# Altium PCB Spektrop2_Processor_Board_V1.PcbDoc (part 3 of 4)
Units mm, origin at the board's own origin, x right, y up, seen from the top; angles counter-clockwise.
Board outline 42 x 42 mm, 8 copper layers (TOP, L1-GND, L2, L3-1V8, L4-PWR, L5, L6-GND, BTM), stack 1.554 mm thick; 263 components, 222 nets, 1386 pads, 678 vias.
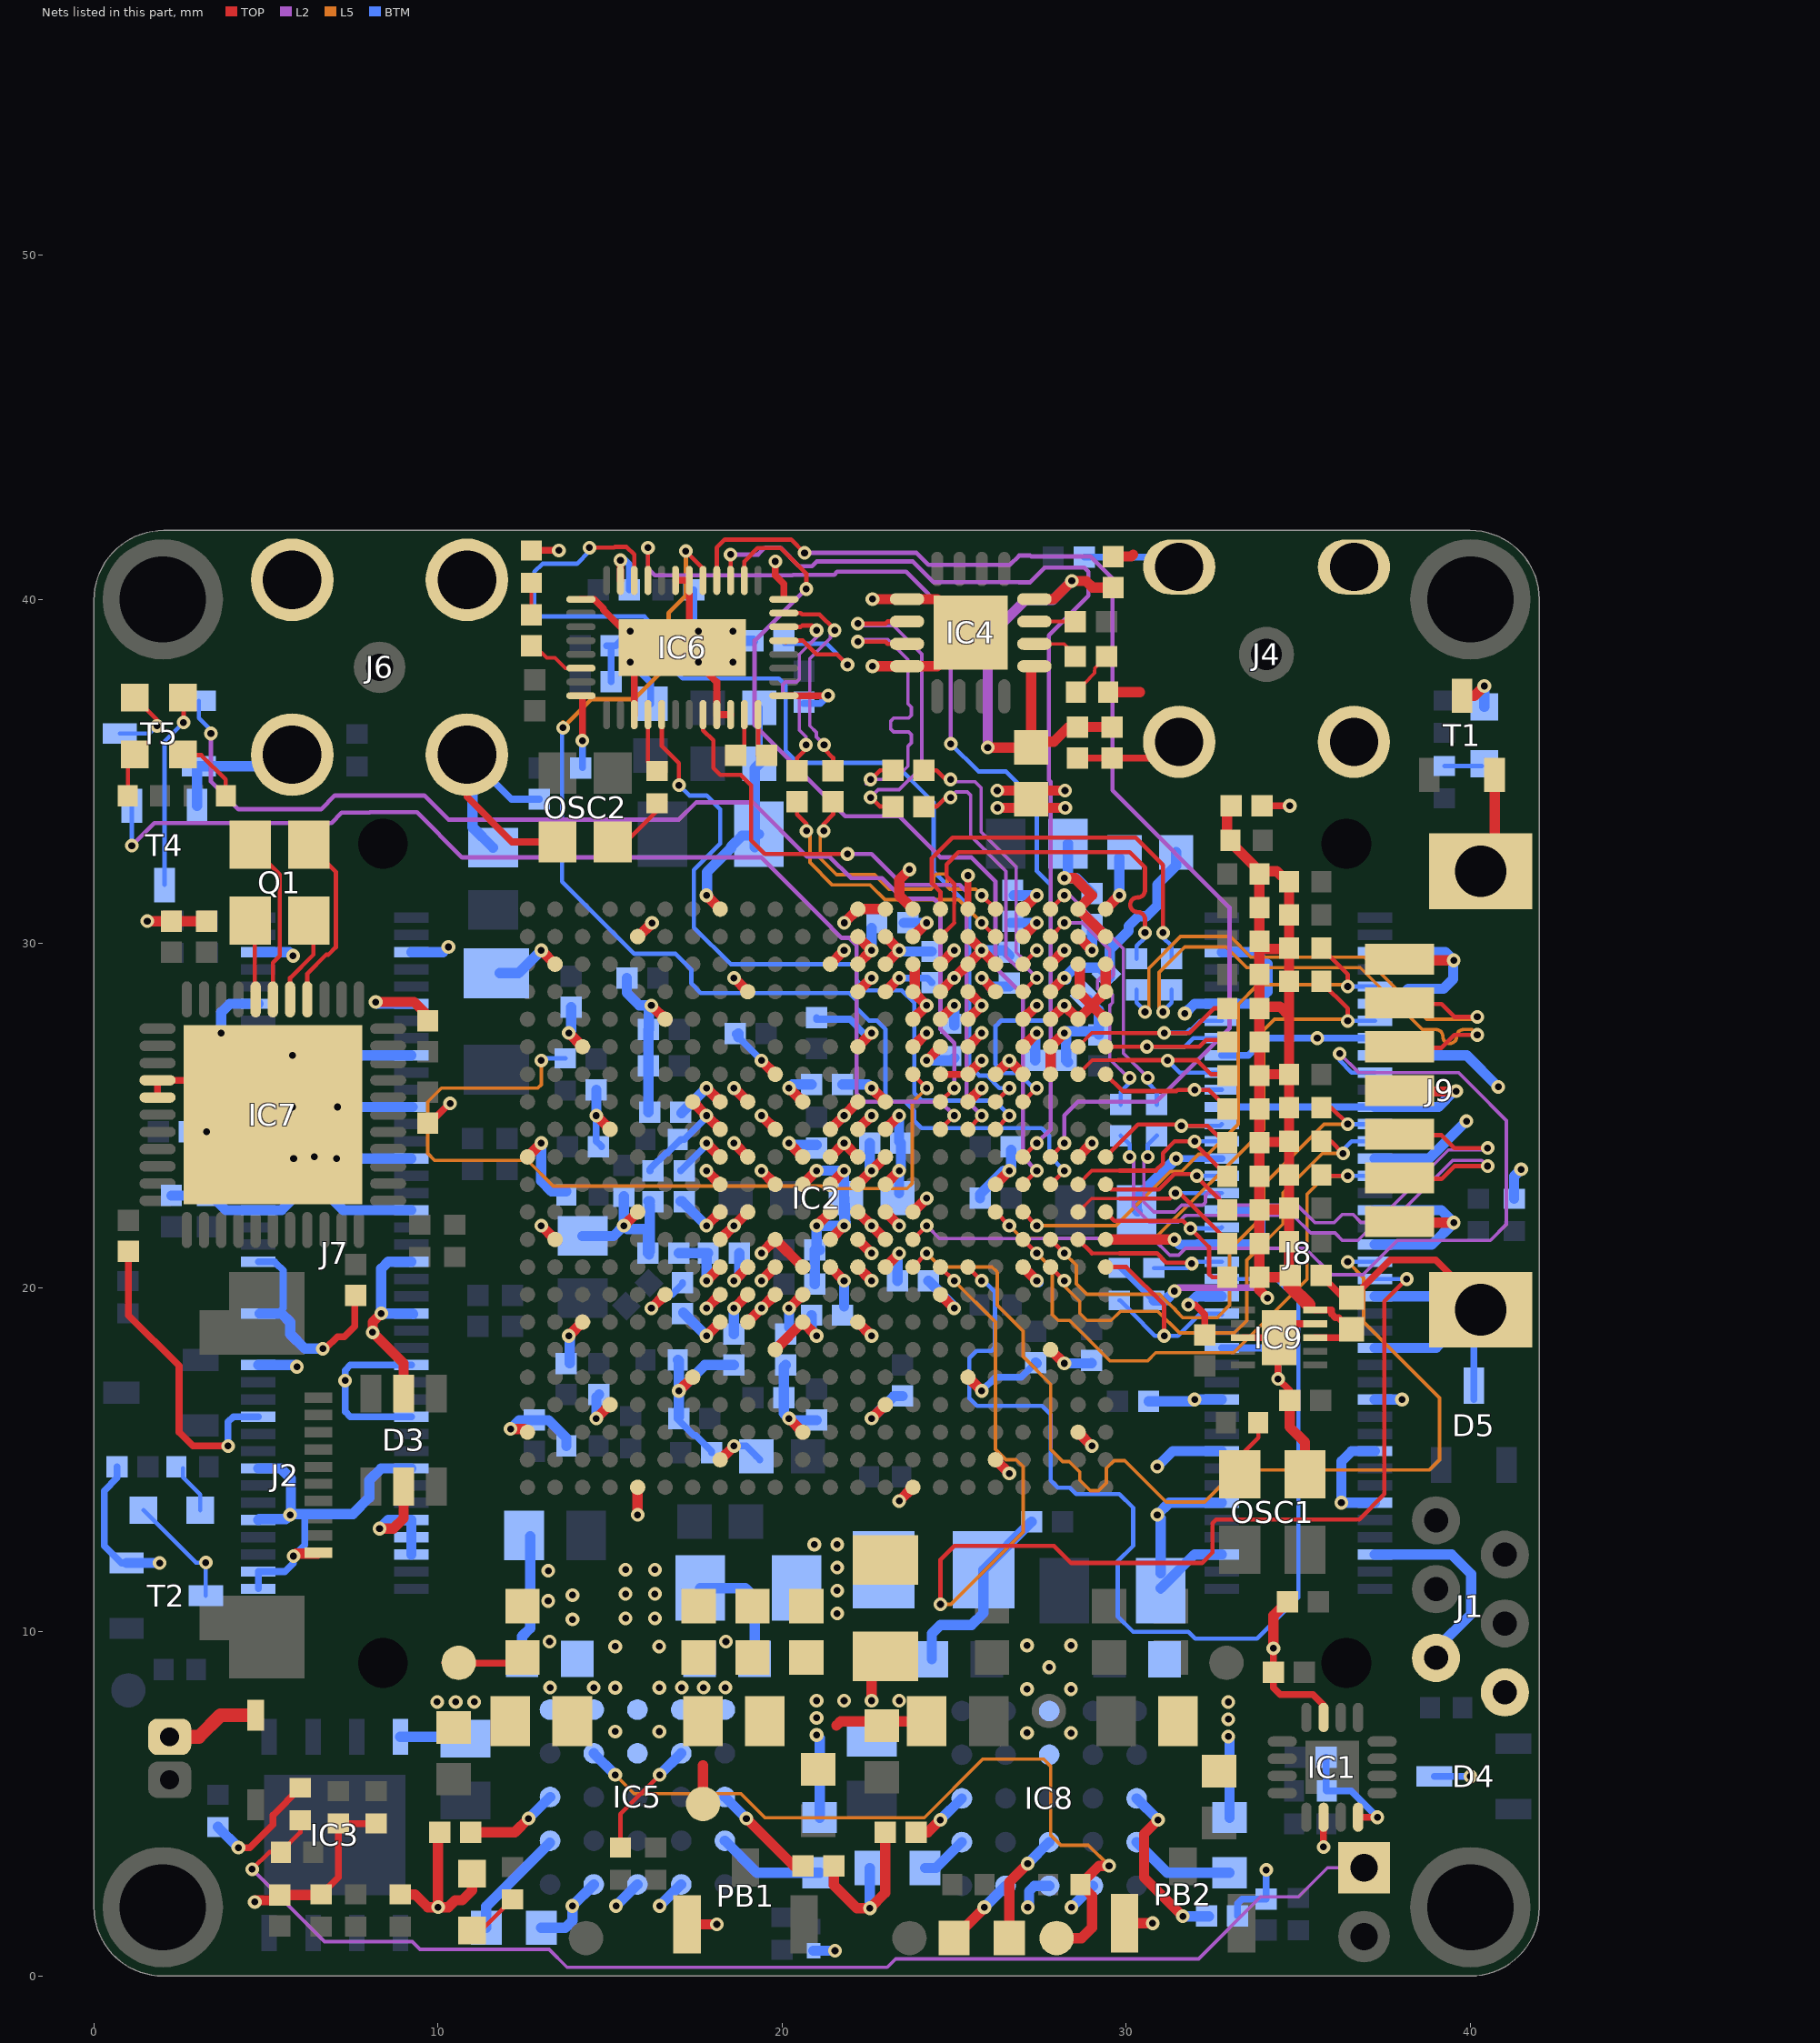
[diagram p9: the nets of this part, all layers, seen from the top]

## Via types
v1: diameter 0.4, hole 0.2, TOP to BTM, tented both sides, 678 vias

## Nets (pads, with @x,y where several pads share a name; then routed paths per layer and width w, separated by ;. In a path a pad name is that pad's centre, name@x,y a point inside that pad or via, vN(x,y) a via of type N, cw(c..) or ccw(c..) an arc to the next point about the centre after c; other vN are vias at no path point) (continued)
FPGA_BANK35_HSTL_IN_IO10: IC2.J1 J8.48 R95.1 | length 6.8
  TOP w0.125: IC2.J1@29.399,20.6 30,20.6 31.1,19.5 v1(31.1,18.6)
  BTM w0.125: R95.1@29.8,19.63 29.818,19.63 30.488,18.961 30.488,18.942 30.83,18.6 v1(31.1,18.6) 31.5,18.6 32.15,19.25 J8.48@32.775,19.25 J8.48@32.775,19.209
FPGA_BANK35_HSTL_IN_IO11: IC2.J3 J8.27 R96.1 | length 15.7
  TOP w0.125: IC2.J3@27.799,20.6 v1(28.199,20.2) ; R96.1@35.67,24.025 35.784,24.139 R96.1@35.895,24.25 ; R96.1@35.67,24.253 35.947,24.253 v1(36.3,23.9)
  L5 w0.1: v1(28.199,20.2) 28.199,20.049 28.649,19.599 28.649,19.255 28.854,19.05 29.561,19.05 29.822,19.31 30.921,19.31 31.545,18.686 33.14,18.686 33.5,19.046 33.5,20.8 34.55,21.85 34.55,22.75 35.7,23.9 v1(36.3,23.9)
  BTM w0.125: v1(36.3,23.9) 36.3,24 36.55,24.25 J8.27@37.225,24.25
FPGA_BANK35_HSTL_IN_IO12: IC2.K2 J8.42 R97.1 | length 5.8
  TOP w0.1: 28.999,21 29.8,21
  TOP w0.125: IC2.K2@28.599,21.4 28.999,21 ; 29.8,21 30.888,21 31.158,20.731 31.158,20.726 31.874,20.726 v1(31.9,20.7)
  BTM w0.125: R97.1@30.8,20.57 31.77,20.57 v1(31.9,20.7) ; v1@31.865,20.695 31.87,20.7 v1(31.9,20.7) ; J8.42@32.775,20.75 31.9,20.75 31.868,20.75 31.9,20.718 v1(31.9,20.7)
FPGA_BANK35_HSTL_IN_IO13: IC2.L2 J8.34 R98.1 | length 6.5
  TOP w0.1: IC2.L2@28.599,22.2 28.99,22.59 29.8,22.59
  TOP w0.125: 29.8,22.59 31.268,22.59 v1(31.428,22.75) 31.55,22.75 R98.1@32.93,21.37
  BTM w0.125: v1(31.428,22.75) J8.34@32.775,22.75
FPGA_BANK35_HSTL_IN_IO14: IC2.L1 J8.38 R99.1 | length 5.7
  TOP w0.125: IC2.L1@29.399,22.2 29.657,21.941 31.645,21.941 v1(31.865,21.722) 32.405,21.182 32.405,20.395 32.5,20.3 R99.1@32.93,20.3
  BTM w0.125: v1(31.865,21.722) v1@31.918,21.722 ; v1@31.947,21.75 v1@31.918,21.722 ; J8.38@32.775,21.75 32.747,21.722 v1@31.918,21.722
FPGA_BANK35_HSTL_IN_IO15: IC2.K4 J8.31 R100.1 | length 17
  TOP w0.125: IC2.K4@26.999,21.4 v1(27.399,21) ; R100.1@35.67,23.1 35.76,23.19 35.82,23.25 v1(36.435,23.25)
  L5 w0.1: v1(27.399,21) 27.849,20.55 27.849,19.217 28.016,19.05 28.353,19.05 29.527,17.875 30.62,17.875 30.853,18.108 33.118,18.108 35.252,20.242 35.252,22.716 35.77,23.234 36.419,23.234 v1(36.435,23.25)
  BTM w0.125: v1(36.435,23.25) J8.31@37.225,23.25
  BTM w0.3: v1@27.364,20.99 27.377,20.977 v1@27.399,20.955
FPGA_BANK35_HSTL_IN_IO16: IC2.K3 J8.25 R101.1 | length 15.6
  TOP w0.125: IC2.K3@27.799,21.4 v1(28.199,21) ; R101.1@35.55,25.227 R101.1@35.67,25.227 35.959,25.227 v1(36.435,24.75)
  L5 w0.1: v1(28.199,21) 28.549,20.65 28.549,20.112 28.852,19.809 30.972,19.809 31.025,19.757 31.025,19.745 31.245,19.525 31.257,19.525 31.425,19.357 31.425,19.345 31.645,19.125 32.635,19.125 33,19.49 33,21.1 33.992,22.092 33.992,22.992 35.75,24.75 v1(36.435,24.75)
  BTM w0.125: v1(36.435,24.75) J8.25@37.225,24.75
FPGA_BANK35_HSTL_IN_IO17: IC2.L5 J8.13 R102.1 | length 17.2
  TOP w0.125: IC2.L5@26.199,22.2 v1(26.599,21.8) ; R102.1@35.67,28.869 36.435,28.104 v1(36.435,27.75)
  L5 w0.1: v1(26.599,21.8) 26.974,21.425 30.825,21.425 34,24.6 34,27.495 34.305,27.8 36.385,27.8 v1(36.435,27.75)
  BTM w0.125: v1@36.397,27.75 v1(36.435,27.75) J8.13@37.225,27.75
FPGA_BANK35_HSTL_IN_IO18: IC2.L4 J8.9 R103.1 | length 16.8
  TOP w0.125: IC2.L4@26.999,22.2 v1(27.399,21.8) ; R103.1@35.67,29.867 36.435,29.102 v1(36.435,28.75)
  L5 w0.1: v1(27.399,21.8) 29.7,21.8 31.275,23.375 31.605,23.375 32.105,23.875 32.375,23.875 33.25,24.75 33.25,28.23 33.82,28.8 36.385,28.8 v1(36.435,28.75)
  BTM w0.125: v1(36.435,28.75) J8.9@37.225,28.75
FPGA_BANK35_HSTL_IN_IO19: IC2.T2 J8.20 R104.1 | length 6.4
  TOP w0.1: IC2.T2@28.599,26.2 29.008,26.609 29.767,26.609
  TOP w0.125: 29.767,26.609 31.2,26.609 32.057,26.609 32.466,26.2 R104.1@32.93,26.2
  BTM w0.125: v1(31.2,26.6) 31.55,26.25 J8.20@32.775,26.25
FPGA_BANK35_HSTL_IN_IO20: IC2.T1 J8.22 R105.1 | length 4.8
  TOP w0.125: IC2.T1@29.399,26.2 29.886,25.713 31.454,25.713 31.484,25.743 v1@31.978,25.743 ; v1(31.985,25.75) v1@31.978,25.743 ; R105.1@32.93,25.217 32.404,25.743 31.985,25.743 v1@31.978,25.743
  BTM w0.125: v1@31.947,25.75 v1(31.985,25.75) J8.22@32.775,25.75
FPGA_BANK35_HSTL_IN_IO21: IC2.U2 J8.14 R106.1 | length 6.6
  TOP w0.1: IC2.U2@28.599,27 28.999,27.4 29.88,27.4
  TOP w0.125: 29.88,27.4 v1(31.1,27.4) 31.83,27.4 32.546,28.115 R106.1@32.93,28.115
  BTM w0.125: v1(31.1,27.4) 31.743,27.4 31.843,27.5 31.9,27.5 32.15,27.75 J8.14@32.775,27.75
FPGA_BANK35_HSTL_IN_IO22: IC2.U1 J8.16 R107.1 | length 5.9
  TOP w0.125: IC2.U1@29.399,27 v1(30.6,27) 32.125,27 32.325,27.2 R107.1@32.93,27.2
  BTM w0.125: v1(30.6,27) 31.696,27 31.947,27.25 J8.16@32.775,27.25
FPGA_BANK35_HSTL_IN_IO23: IC2.M2 J8.28 R108.1 | length 6.4
  TOP w0.1: IC2.M2@28.599,23 29.001,23.401 29.799,23.401
  TOP w0.125: 29.799,23.401 30.86,23.401 31.062,23.603 31.062,23.911 31.402,24.25 v1(31.985,24.25) ; v1@32.085,24.353 32.085,24.25 32.085,24.095 R108.1@32.93,23.25
  BTM w0.125: v1@31.947,24.25 v1(31.985,24.25) J8.28@32.775,24.25
FPGA_BANK35_HSTL_IN_IO24: IC2.M1 J8.32 R109.1 | length 5
  TOP w0.125: IC2.M1@29.399,23 29.55,22.849 30.949,22.849 31.4,23.3 32,23.3 v1(32.05,23.25) 32.05,23.215 R109.1@32.93,22.335 ; R109.1@32.93,22.3 R109.1@32.93,22.335 ; R109.1@32.93,22.37 R109.1@32.93,22.335 ; R109.1@32.947,22.317 R109.1@32.93,22.335
  BTM w0.125: v1(32.05,23.25) J8.32@32.775,23.25
FPGA_BANK35_HSTL_IN_IO25: IC2.N1 J8.26 R110.1 | length 5.4
  TOP w0.125: IC2.N1@29.399,23.8 30.342,24.743 31.6,24.743 v1@31.678,24.743 ; v1(31.6,24.7) 32.363,24.7 32.83,24.233 R110.1@32.93,24.233
  BTM w0.125: v1(31.6,24.7) 32.725,24.7 J8.26@32.775,24.75
FPGA_BANK35_HSTL_IO0: IC2.J8 J8.41 | length 29.8
  TOP w0.125: IC2.J8@23.799,20.6 v1(24.2,20.999)
  L5 w0.1: v1(24.2,20.999) 24.598,20.6 26.1,20.6 26.249,20.451 26.249,19.489 27,18.738 27,18 27.8,17.2 27.8,15.304 28.154,14.95 28.344,14.95 28.649,14.644 28.649,14.404 28.953,14.1 29.2,14.1 29.424,14.324 29.424,14.755 29.644,14.975 29.956,14.975 31.155,13.775 32.275,13.775 33.2,14.7 38.8,14.7 39.1,15 39.1,16.8 36.9,19 36.9,20.285 v1(36.435,20.75)
  BTM w0.125: v1(36.435,20.75) J8.41@37.225,20.75
FPGA_BANK35_HSTL_IO1: IC2.K8 J8.19 | length 28.8
  TOP w0.125: IC2.K8@23.799,21.4 v1(24.2,21.799)
  L2 w0.1: v1(24.2,21.799) 24.574,21.425 27.554,21.425 27.566,21.436 30.771,21.436 31.262,20.945 31.52,20.945 31.718,21.144 35.2,21.144 35.969,20.375 36.875,20.375 37.875,21.375 40.578,21.375 41.045,21.842 41.045,24.855 40.076,25.824 39.65,26.25 36.75,26.25 v1(36.2,26.8)
  BTM w0.125: v1(36.2,26.8) 36.2,26.6 36.55,26.25 J8.19@37.225,26.25
FPGA_BANK35_HSTL_IO2: IC2.J7 J8.43 | length 35.5
  TOP w0.125: IC2.J7@24.599,20.6 v1(24.999,20.2) ; v1(24.6,10.8) 24.6,12.1 25,12.5 27.9,12.5 28.4,12 32.2,12 32.505,12.305 32.505,13.156 32.615,13.266 36.766,13.266 37.5,14 37.5,19.6 v1(38.15,20.25)
  L5 w0.1: v1(24.6,10.8) 24.9,10.8 27,12.9 27,14.8 26.8,15 26.5,15 26.2,15.3 26.2,18.999 v1(24.999,20.2)
  BTM w0.125: J8.43@37.225,20.25 v1(38.15,20.25)
FPGA_BANK35_HSTL_IO3: IC2.J6 J8.44 | length 32.4
  TOP w0.125: IC2.J6@25.399,20.6 v1(25.799,20.2)
  BTM w0.125: v1(25.799,20.2) 25.86,20.2 26.183,19.877 26.183,18.265 26.08,18.162 25.649,18.162 25.437,17.95 25.437,16.786 25.659,16.563 27.55,16.563 27.8,16.313 27.8,14.4 28.013,14.187 28.36,14.187 28.547,14 29.8,14 30.2,13.6 30.2,12.5 29.75,12.05 29.75,10.45 30.2,10 31.8,10 32,9.8 33.8,9.8 35,11 35,19.6 34.35,20.25 J8.44@32.775,20.25
GND: C1.1 C2.1 C3.1 C16.1 C17.1 C18.2 C19.2 C20.2 C21.2 C22.2 C23.2 C24.2 C25.2 C26.2 C27.2 C28.2 C29.2 C30.2 C31.2 C32.2 C33.2 C34.2 C35.2 C36.2 C37.2 C38.2 C39.2 C40.2 C41.2 C42.2 C43.2 C44.2 C45.2 C46.2 C47.2 C48.2 C49.2 C50.2 C51.2 C52.2 C53.2 C54.2 C55.2 C56.2 C57.2 C58.2 C59.2 C60.2 C61.2 C62.2 C63.2 C64.2 C65.2 C66.2 C67.2 C68.2 C69.2 C70.2 C71.2 C72.2 C73.2 C74.2 C75.2 C76.2 C77.2 C80.2 C81.2 C82.2 C83.2 C84.1 C85.1 C86.1 C87.1 C88.1 C89.1 C90.1 C91.1 C92.1 C93.1 C94.1 C95.1 C96.1 C97.1 C98.1 C99.1 C100.1 C101.1 C113.1 C114.1 C115.1 C116.1 C117.1 C118.1 C119.1 C120.1 C121.1 C122.1 C123.2 C124.1 C125.1 C126.1 C127.1 C128.1 C129.1 C130.1 C131.1 C132.1 C133.1 C134.1 C135.1 D2.2 D3.2 D3.5 D4.3 D5.3 IC1.6 IC1.8 IC1.15 IC2.A8 IC2.A18 IC2.AA1 IC2.AA6 IC2.AA9 IC2.AA10 IC2.AA18 IC2.AB2 IC2.AB4 IC2.AB8 IC2.AB9 IC2.AB10 IC2.AB15 IC2.B5 IC2.B15 IC2.C2 IC2.C12 IC2.C22 IC2.D9 IC2.D19 IC2.E6 IC2.E16 IC2.F3 IC2.F13 IC2.G10 IC2.G12 IC2.G14 IC2.G20 IC2.H7 IC2.H13 IC2.H15 IC2.H17 IC2.J4 IC2.J10 IC2.J12 IC2.J14 IC2.K1 IC2.K9 IC2.K13 IC2.K15 IC2.K21 IC2.L8 IC2.L10 IC2.L14 IC2.L18 IC2.M5 IC2.M9 IC2.M13 IC2.M15 IC2.N2 IC2.N10 IC2.N11 IC2.N12 IC2.N14 IC2.N22 IC2.P9 IC2.P11 IC2.P13 IC2.P15 IC2.P19 IC2.R6 IC2.R10 IC2.R12 IC2.R14 IC2.R16 IC2.T3 IC2.T4 IC2.T5 IC2.T6 IC2.T7 IC2.T13 IC2.U3 IC2.U10 IC2.U20 IC2.V1 IC2.V2 IC2.V3 IC2.V4 IC2.V6 IC2.V8 IC2.V17 IC2.W1 IC2.W2 IC2.W6 IC2.W7 IC2.W8 IC2.W10 IC2.W14 IC2.Y1 IC2.Y2 IC2.Y3 IC2.Y5 IC2.Y6 IC2.Y8 IC2.Y9 IC2.Y10 IC2.Y11 IC2.Y21 IC3.4 IC4.1 IC4.4 IC4.17 IC5.B5 IC5.C1 IC5.C2 IC5.C5 IC5.D5 IC6.1 IC6.8 IC6.14 IC6.15 IC6.19 IC6.21 IC6.28 IC6.31 IC6.37 IC6.38 IC6.41 IC7.15 IC7.16 IC7.45 IC8.B5 IC8.C1 IC8.C2 IC8.C5 IC8.D5 IC9.4 IC9.8 IC9.11 J1.5 J1.6 J2.10 J4.2 J5.2 J6.2 J7.5 J7.6 J7.11 J7.12 J7.17 J7.18 J7.23 J7.24 J7.29 J7.30 J7.35 J7.36 J7.41 J7.42 J7.47 J7.48 J7.53 J7.54 J7.59 J7.60 J7.65 J7.66 J7.71 J7.72 J7.73 J7.75 J7.78 J7.80 J8.5 J8.6 J8.11 J8.12 J8.15 J8.17 J8.18 J8.23 J8.24 J8.29 J8.30 J8.35 J8.36 J8.39 J8.40 J8.45 J8.46 J8.51 J8.52 J8.57 J8.58 J8.63 J8.64 J8.69 J8.70 J8.75 J8.76 J9.1 J9.4 J9.7 J9.8 L2.2 LD7.2 OSC1.2 OSC2.2 PB1.2 PB2.2 R3.1 R9.1 R15.2 R16.2 R17.2 R18.2 R20.2 R27.2 R28.2 R29.2 R31.1 R32.1 R33.1 R36.1 R37.1 R40.1 R48.1 R66.2 R78.2 T1.2 T2.2 T4.2 T5.2 | length 420.2
  TOP w0.2: C119.1@1,21.05 1,19.2 2.475,17.725 2.475,15.8 2.875,15.4 v1(3.9,15.4) ; IC7.16@1.85,25.525 IC7.15@1.85,26.025 IC7.45@4.2,26.025 ; v1(4.2,3.73) 4.53,3.73 5.2,4.4 5.2,4.67 R27.2@6,5.47 ; R20.2@6.6,2.37 7.1,2.87 R17.2@7.1,4.43 R18.2@8.2,4.43 ; v1(6.65,18.225) 6.723,18.225 7.073,18.576 7.276,18.576 7.58,18.88 7.58,19.775 C117.1@7.58,19.825 ; C116.1@9.704,24.726 9.727,24.748 10.337,25.359 10.343,25.359 v1(10.351,25.351) ; J6.2@10.84,35.485 10.84,34.26 12.15,32.95 OSC2.2@13.475,32.95 ; R66.2@12.812,41.42 v1(13.51,41.42) ; IC6.21@14.15,40 14.535,40 14.8,39.735 14.8,39.7 15.509,38.991 15.9,38.6 IC6.41@17.1,38.6 ; v1(14.194,35.894) 14.194,37.097 ; IC6.19@15.3,40.55 v1(15.3,41.135) ; IC6.31@15.7,36.65 IC6.41@15.7,38.171 ; IC6.15@16.9,40.55 IC6.14@17.3,40.55 17.3,39.071 17.3,38.8 IC6.41@17.1,38.6 ; IC6.38@18.5,36.65 IC6.37@18.1,36.65 18.1,37.6 17.547,38.153 IC6.41@17.1,38.6 ; v1(19.8,41.1) 19.8,40.7 20.05,40.45 IC6.8@20.05,40 ; IC6.1@20.05,37.2 21.328,37.2 v1(21.335,37.208) ; IC2.T7@24.599,26.2 IC2.T6@25.399,26.2 ; C82.2@28.582,35.392 C81.2@29.591,35.392 31.067,35.392 J4.2@31.535,35.86 ; v1(31.8,19.5) 32,19.5 32.275,19.225 C122.1@32.275,18.625 ; IC9.8@33.388,18.55 IC9.11@34.375,18.55 ; C16.1@33.85,34 C16.1@33.95,34 v1(34.749,34) ; v1(34.276,9.522) C1.1@34.276,8.819 34.276,8.378 34.478,8.176 35.429,8.176 35.733,7.872 IC1.15@35.733,7.513 ; IC9.11@34.375,18.95 34.438,18.95 IC9.4@35.488,18.95 ; IC9.11@34.413,17.95 v1(34.413,17.35) 34.747,17.015 C123.2@34.747,16.729 ; C17.1@35.665,20.359 36.314,19.71 C124.1@36.55,19.71 ; v1(35.733,3.75) IC1.6@35.733,4.613 ; C124.1@36.55,19.685 36.562,19.697 37.665,20.8 38.99,20.8 40.365,19.425 J9.8@40.46,19.33 ; IC1.8@36.733,4.613 v1(37.295,4.613)
  TOP w0.3: v1(1.55,30.65) C120.1@2.25,30.65 C121.1@3.275,30.65 ; v1(4.675,2.15) 4.675,2.175 4.7,2.2 5.25,2.2 C77.2@5.4,2.35 6.58,2.35 R20.2@6.6,2.37 ; v1(5.789,29.642) v1@5.789,29.664 ; v1(5.8,12.2) 5.875,12.275 6.5,12.275 J2.10@6.525,12.3 ; IC7.45@6.425,23.8 7,23.8 v1(7.05,23.75) ; IC7.45@7.05,25.275 v1(7.075,25.25) ; v1(8.188,28.3) 9.3,28.3 9.7,27.9 C115.1@9.7,27.75 ; v1(8.3,13) 8.7,13 9,13.3 D3.5@9,14.22 ; v1(8.35,19.25) 8.1,19 v1(8.1,18.7) 9,17.8 D3.2@9,16.92 ; R16.2@8.9,2.37 9.33,2.37 9.7,2 v1(10,2) ; C90.1@10.05,4.176 10,4.126 v1(10,2) ; LD7.2@10.991,2.972 10.991,2.491 10.7,2.2 10.5,2.2 10.3,2 v1(10,2) ; v1(12.105,15.895) 12.504,15.895 IC2.C22@12.599,15.8 ; IC2.N22@12.599,23.8 v1(12.999,24.2) ; v1(12.999,21.8) IC2.K21@13.399,21.4 ; v1(12.999,29.8) IC2.Y21@13.399,29.4 ; v1(13.799,18.6) IC2.G20@14.199,19 ; v1(13.799,27.4) IC2.U20@14.199,27 ; v1(14.599,16.2) IC2.D19@14.999,16.6 ; v1(14.599,25) IC2.P19@14.999,24.6 ; v1(15.399,21.8) IC2.L18@15.799,22.2 ; v1@15.799,13.501 IC2.A18@15.799,14.2 ; v1(15.8,13.4) v1@15.8,13.5 ; IC2.AA18@15.819,30.195 v1(16.219,30.595) ; v1(16.199,19.4) IC2.H17@16.599,19.8 ; v1(16.199,28.2) IC2.V17@16.599,27.8 ; v1(16.999,17) IC2.E16@17.399,17.4 ; PB1.2@17.235,1.5 v1(18.1,1.5) ; IC2.R16@17.399,25.4 v1(17.799,25) IC2.P15@18.199,24.6 ; v1(17.799,19.4) IC2.H15@18.199,19.8 ; v1(17.799,23.4) IC2.M15@18.199,23 ; v1(17.799,31.4) IC2.AB15@18.199,31 ; IC2.B15@18.199,15 v1(18.599,15.4) ; IC2.K15@18.199,21.4 v1(18.599,21.8) IC2.L14@18.999,22.2 ; v1(18.599,20.2) IC2.J14@18.999,20.6 ; v1(18.599,24.2) IC2.N14@18.999,23.8 ; v1(18.599,25.8) IC2.R14@18.999,25.4 ; v1(18.599,29) IC2.W14@18.999,28.6 ; IC2.G14@18.999,19 v1(19.399,19.4) IC2.H13@19.799,19.8 ; v1(19.399,21) IC2.K13@19.799,21.4 IC2.J12@20.599,20.6 ; v1(19.399,23.4) IC2.M13@19.799,23 ; v1(19.399,25) IC2.P13@19.799,24.6 ; v1(19.399,26.6) IC2.T13@19.799,26.2 ; IC2.F13@19.799,18.2 IC2.G12@20.599,19 v1(20.999,18.6) ; v1(20.199,16.2) IC2.C12@20.599,15.8 ; v1(20.199,24.2) IC2.N12@20.599,23.8 ; v1(20.199,25.8) IC2.R12@20.599,25.4 ; IC2.N11@21.399,23.8 v1(21.799,24.2) IC2.N10@22.199,23.8 ; IC2.P11@21.399,24.6 v1(21.799,25) IC2.R10@22.199,25.4 ; IC2.Y11@21.399,29.4 v1(21.799,29.8) ; C89.1@21.5,3.2 21.5,2.64 22.17,1.97 v1(22.55,1.97) 22.99,2.41 C99.1@22.99,4.173 ; 21.575,7.275 21.7,7.4 22.9,7.4 C100.1@24.2,7.4 ; v1(21.8,30.599) IC2.AB10@22.2,30.999 ; IC2.G10@22.199,19 v1(22.599,18.6) ; IC2.J10@22.199,20.6 v1(22.599,20.2) ; IC2.L10@22.199,22.2 v1(22.599,21.8) IC2.K9@22.999,21.4 ; IC2.U10@22.199,27 v1(22.599,27.4) ; IC2.W10@22.199,28.6 v1(22.599,29) ; IC2.Y10@22.199,29.4 v1(22.599,29.8) IC2.AA10@22.199,30.2 ; IC2.AB10@22.199,31 IC2.AB9@22.999,31 ; v1(22.6,8) C55.2@22.6,8.888 ; v1(22.599,16.2) IC2.D9@22.999,16.6 ; v1(22.626,38.056) IC4.4@23.629,38.056 24.504,38.056 IC4.17@25.479,39.031 24.504,40.006 IC4.1@23.629,40.006 v1(22.626,40.006) ; IC2.M9@22.999,23 v1(23.399,23.4) ; IC2.P9@22.999,24.6 v1(23.399,25) ; IC2.Y9@22.999,29.4 v1(23.399,29.8) IC2.AA9@22.999,30.2 ; v1(23.399,13.8) IC2.A8@23.799,14.2 ; v1(23.7,32.15) 23.4,31.85 23.4,31.399 IC2.AB8@23.799,31 ; IC2.L8@23.799,22.2 v1(24.199,22.6) ; IC2.V8@23.799,27.8 v1(24.199,28.2) IC2.W8@23.799,28.6 23.849,28.65 23.849,29.4 IC2.Y8@23.799,29.4 ; IC2.H7@24.599,19.8 v1(24.999,19.4) ; IC2.W7@24.599,28.6 v1(24.999,29) IC2.Y6@25.399,29.4 25.799,29.799 v1(25.8,29.799) ; R40.1@25,1.1 25.875,1.975 v1(25.875,1.995) ; IC2.E6@25.399,17.4 v1(25.799,17) ; IC2.R6@25.399,25.4 v1(25.799,25.8) ; IC2.T6@25.399,26.2 v1(25.799,26.6) ; IC2.V6@25.399,27.8 v1(25.799,28.2) IC2.W6@25.399,28.6 ; IC2.AA6@25.399,30.2 v1(25.8,29.799) ; IC2.B5@26.199,15 v1(26.599,14.6) ; IC2.M5@26.199,23 v1(26.599,23.4) ; IC2.T5@26.199,26.2 v1(26.599,26.6) IC2.T4@26.999,26.2 ; IC2.Y5@26.199,29.4 v1(25.8,29.799) ; IC2.J4@26.999,20.6 v1(27.399,20.2) ; IC2.V4@26.999,27.8 v1(27.399,28.2) ; IC2.AB4@26.999,31 v1(27.399,31.4) ; IC2.F3@27.799,18.2 v1(28.199,17.8) ; IC2.T3@27.799,26.2 IC2.U3@27.799,27 v1(28.199,27.4) ; IC2.V3@27.799,27.8 v1(28.199,28.2) IC2.V2@28.599,27.8 28.999,28.2 ; IC2.Y3@27.799,29.4 v1(28.199,29.8) ; v1(28.2,31.9) 28.5,31.9 29,31.4 IC2.AB2@28.599,31 IC2.AA1@29.399,30.2 ; IC2.C2@28.599,15.8 v1(28.999,15.4) ; IC2.N2@28.599,23.8 v1(28.999,24.2) ; IC2.Y2@28.599,29.4 28.649,29.4 28.649,28.65 IC2.W2@28.599,28.6 28.999,28.2 ; IC2.K1@29.399,21.4 v1(31.4,21.4) ; IC2.V1@29.399,27.8 28.999,28.2 ; IC2.Y1@29.399,29.4 IC2.W1@29.399,28.6 28.999,28.2 ; R31.1@29.47,37.3 30.4,37.3 ; C80.2@29.619,41.244 30.144,41.244 30.2,41.3 ; PB2.2@29.95,1.535 v1(30.765,1.535) ; v1(34.276,9.522) 34.276,10.473 C74.2@34.68,10.876 ; C123.2@34.747,16.729 34.747,15.953 35.193,15.507 OSC1.2@35.193,14.578 ; J9.7@38.1,21.89 v1(39.515,21.89) ; J9.4@38.1,25.7 v1@39.586,25.7 ; J9.1@38.1,29.51 v1(39.515,29.51) ; J9.8@40.703,32.313 T1.2@40.703,34.897
  TOP w0.4: J5.2@2.2,6.95 3.05,6.95 3.675,7.575 D2.2@4.7,7.575
  L2 w0.2: v1(10.351,25.351) v1@10.351,25.424
  BTM w0.2: C75.2@0.674,14.8 0.674,14.474 0.3,14.1 0.3,12.5 0.8,12 T2.2@0.95,12 ; C134.1@2.775,24.525 v1(3.275,24.525) ; v1(3.9,15.4) 3.9,16.1 4.05,16.25 J7.60@4.775,16.25 ; J7.80@4.775,11.25 J7.78@4.775,11.75 5.55,11.75 5.8,12 v1(5.8,12.2) 6.125,12.525 6.125,13.425 ; J7.42@4.775,20.75 J7.42@5.25,20.75 ; 5.3,20.7 5.5,20.5 5.5,19.407 5.45,19.357 5.45,19.25 ; J7.59@9.225,16.25 7.45,16.25 7.3,16.4 v1(7.3,17.3) 7.3,17.6 7.45,17.75 J7.53@9.225,17.75 ; J6.2@10.84,35.485 11,35.325 12.133,34.192 C113.1@12.944,34.192 ; C128.1@14.194,35.116 v1(14.194,35.894) ; v1(14.599,25) 14.599,24.251 14.708,24.142 C64.2@14.75,24.1 ; C132.1@14.897,38.649 C132.1@15.034,38.649 ; C133.1@15.034,37.61 C132.1@15.034,38.649 ; v1(15.3,41.135) 15.436,41.135 15.556,41.015 C125.1@15.556,40.281 ; v1(15.589,38.171) 16.175,37.585 C127.1@16.175,36.964 ; v1(15.589,39.071) 15.167,38.649 C132.1@15.034,38.649 ; C39.2@16.17,23.4 16.15,23.4 16.15,23.437 16.181,23.469 16.623,23.91 16.66,23.91 17.01,24.26 17.047,24.297 17.047,24.3 17.153,24.3 17.799,24.946 v1(17.799,25) ; v1(16.199,19.4) 16.6,19.8 16.8,19.8 17.1,20.1 C35.2@17.1,20.15 ; C53.2@16.999,16.2 16.95,16.2 16.975,16.175 17.44,15.71 17.486,15.71 17.95,15.246 C71.2@17.95,15.2 ; C126.1@17.439,40.277 17.439,39.196 v1(17.564,39.071) ; v1(18.599,15.4) 18.95,15.4 C73.2@19.25,15.1 C73.2@19.35,15 ; C44.2@18.638,27.381 18.638,27.36 18.724,27.275 v1(19.399,26.6) ; C131.1@19.337,35.268 C130.1@19.337,36.851 ; v1(20.199,16.2) v1@20.249,16.15 ; C129.1@20.614,36.972 20.636,36.972 21.1,36.972 v1(21.335,37.208) ; C67.2@21,27.85 21,27.8 21.965,27.8 22.365,27.4 v1(22.599,27.4) ; v1(25.799,17) 26.199,17.4 26.937,17.4 C41.2@27.364,17.826 ; v1(26.599,23.4) v1@26.65,23.45 ; C83.2@28.775,41.225 31.25,41.225 J4.2@31.535,40.94 ; C69.2@31,11.2 C69.2@31,11.265 ; v1(31.45,23.75) J8.30@32.775,23.75 ; J8.52@32.775,18.25 33.95,18.25 34.413,17.787 v1(34.413,17.35) ; J8.24@32.775,25.25 J8.23@37.225,25.25 ; J8.18@32.775,26.75 33.55,26.75 34.05,27.25 v1(35.55,27.25) J8.15@37.225,27.25 J8.17@37.225,26.75 ; C98.1@33.23,1.741 33.23,2.099 33.366,2.235 C76.2@34.066,2.235 v1(34.066,3.084) ; C2.1@35.805,6.356 35.805,5.389 R3.1@35.821,5.372 36.535,5.372 v1(37.295,4.613) ; D4.3@38.95,5.8 v1(40,5.8) ; D5.3@40.1,16.75 D5.3@40.1,17.15 J9.8@40.1,18.97
  BTM w0.3: T2.2@0.95,12 v1(1.91,12) ; C135.1@2.25,22.675 C118.1@3.3,22.675 3.409,22.675 3.834,22.25 J7.36@4.775,22.25 5.45,22.25 5.804,22.604 v1(5.804,23.75) J7.30@4.775,23.75 ; T4.2@3,34 T5.2@3,35.1 ; T5.2@3.05,35.15 5.425,35.15 J6.2@5.76,35.485 ; R15.2@3.6,4.33 v1(4.2,3.73) ; v1(3.7,27.4) 3.7,28 3.95,28.25 J7.12@4.775,28.25 ; J7.72@4.775,13.25 4.8,13.275 5.575,13.275 v1(5.7,13.4) v1@5.725,13.425 ; J7.66@4.775,14.75 5.425,14.75 5.725,14.45 v1@5.725,13.425 ; J7.54@4.775,17.75 5.851,17.75 v1(5.9,17.701) ; J7.18@4.775,26.75 v1(5.764,26.75) ; J7.6@4.775,29.75 5.681,29.75 v1(5.789,29.642) ; J7.48@4.814,19.25 5.45,19.25 5.706,18.994 5.706,18.654 6.135,18.225 v1(6.65,18.225) ; J7.24@4.814,25.25 v1(5.764,25.25) ; v1(6.4,23.8) 6.4,23.1 7.25,22.25 J7.35@9.225,22.25 ; v1(7.05,23.75) J7.29@9.225,23.75 ; v1(8.188,28.3) 8.237,28.25 J7.11@9.225,28.25 J7.11@9.264,28.25 ; v1(8.3,13) 8.55,13.25 J7.71@9.225,13.25 J7.73@9.225,12.75 J7.75@9.225,12.25 ; IC3.4@8.905,6.95 C84.1@10.175,6.95 ; J7.65@9.225,14.75 8.35,14.75 8,14.4 8,13.9 7.525,13.425 6.125,13.425 v1@5.725,13.425 ; J7.47@9.225,19.25 v1(8.35,19.25) 8.35,20.55 8.55,20.75 J7.41@9.225,20.75 ; J7.17@9.225,26.75 7.514,26.75 7.075,26.311 v1(7.075,25.25) J7.23@9.225,25.25 J7.23@9.264,25.25 ; J7.5@9.225,29.75 10.15,29.75 v1(10.3,29.9) ; J7.47@9.264,19.25 J7.47@9.277,19.238 ; J6.2@11,35.325 11,33.38 C29.2@11.598,32.782 ; C66.2@11.789,29.135 12.335,29.135 v1(12.999,29.8) ; v1(12.105,15.895) 12.36,16.15 C65.2@12.8,16.15 13.212,16.15 13.73,15.632 R28.2@13.73,15.4 ; C92.1@12.44,9.216 12.44,9.866 12.675,10.101 C26.2@12.675,12.775 ; R32.1@13,1.4 13.7,1.4 13.904,1.604 v1(13.904,2.035) 14.527,2.658 IC5.B5@14.529,2.66 ; v1(12.999,24.2) 12.999,23.101 13.3,22.8 R48.1@13.73,22.8 ; v1(13.799,18.6) 13.824,18.575 C63.2@13.824,17.8 ; v1(13.799,27.4) 13.869,27.47 C43.2@13.869,28.15 ; v1(14.599,16.2) 14.599,16.813 C70.2@14.679,16.892 ; v1(14.599,25) C45.2@14.599,25.75 ; v1(15.17,2.035) IC5.C5@15.795,2.66 ; v1@15.4,21.8 C42.2@15.4,22.65 ; C31.2@15.486,28.991 15.486,28.565 15.852,28.2 v1(16.199,28.2) 16.124,28.125 16.124,27.5 16.119,27.495 16.114,27.49 16.114,26.5 C68.2@16.114,26.45 C22.2@16.114,25.1 ; C34.2@16.109,22.51 C34.2@16.149,22.51 ; C37.2@16.131,20.967 C37.2@16.099,21 ; C34.2@16.15,22.4 16.15,21.05 C37.2@16.099,21 ; v1(16.44,2.035) IC5.D5@17.065,2.66 ; R29.2@16.97,17.9 16.999,17.871 v1(16.999,17) ; C53.2@16.999,16.25 v1(16.999,17) ; C24.2@17.62,11.27 18.93,11.27 19.2,11 C88.1@19.2,9.216 ; v1(17.799,31.4) 17.812,31.413 17.812,32.071 18.512,32.771 18.512,32.812 18.836,33.136 C52.2@19.2,33.136 ; v1(18.564,39.071) 18.835,38.8 C114.1@19.15,38.8 ; C33.2@18.599,17.75 17.749,17.75 v1(16.999,17) ; v1(18.599,20.2) 18.75,20.35 C38.2@18.75,21 ; C44.2@18.724,27.275 18.724,27.3 18.724,27.381 C44.2@18.724,27.385 ; C52.2@19.2,32.8 C52.2@19.2,33.136 ; C52.2@19.323,33.174 19.238,33.174 C52.2@19.2,33.136 ; C131.1@19.356,35.242 C131.1@19.337,35.224 19.2,35.086 19.2,33.174 C52.2@19.2,33.136 ; C25.2@20.1,17.75 20.049,17.699 C72.2@20.049,16.8 20.049,16.35 v1(20.199,16.2) ; v1(20.199,24.2) 20.249,24.15 C51.2@21,24.15 ; v1(20.199,25.8) 20.3,25.9 C56.2@20.85,25.9 ; v1@20.249,16.15 C54.2@20.999,16.15 ; C36.2@20.85,19.2 20.85,18.749 v1(20.999,18.6) ; C3.1@20.91,0.735 v1(21.535,0.735) ; v1(21,7) 21.09,6.91 R33.1@21.09,4.6 ; v1(22.55,1.97) R36.1@22.55,3.14 ; v1(22.599,16.2) 23.25,16.85 C50.2@23.5,16.85 ; v1(22.599,29.8) C18.2@22.599,30.449 ; L2.2@23.399,22.75 v1(23.399,23.4) 23.449,23.45 C57.2@23.449,24.2 23.399,24.25 v1(23.399,25) ; v1(23.399,29.8) 23.431,29.768 C47.2@24.349,29.768 ; C23.2@24.25,20.2 24.999,19.451 v1(24.999,19.4) ; C101.1@24.347,9.2 24.347,9.947 24.6,10.2 25.5,10.2 25.85,10.55 C21.2@25.85,11.8 C59.2@27.25,13.2 ; C40.2@25.75,22.6 25.75,22.714 26.436,23.4 v1(26.599,23.4) ; v1(25.8,29.799) 26.451,29.799 26.55,29.7 C46.2@26.6,29.65 ; v1(25.875,1.995) 26.495,2.615 IC8.B5@26.5,2.62 ; v1@26.65,23.45 C61.2@26.65,24 ; C19.2@26.734,31.4 v1(27.399,31.4) ; v1(27.135,1.995) 27.175,2.035 27.175,2.465 27.33,2.62 IC8.C5@27.76,2.62 ; C41.2@27.364,17.826 C41.2@27.391,17.8 ; v1(27.399,20.2) v1@27.449,20.15 ; v1(28.199,17.8) 28.983,17.8 C27.2@28.993,17.809 ; v1(28.199,29.8) v1@28.234,29.834 ; C48.2@28.3,26.549 C48.2@28.249,26.6 28.249,27.35 v1(28.199,27.4) 28.249,27.45 C28.2@29.199,27.45 ; C49.2@28.3,32.9 28.3,32 v1(28.2,31.9) 28.55,31.9 C20.2@29,31.45 ; v1(28.405,1.995) IC8.D5@29.03,2.62 ; C58.2@28.882,28.382 29.199,28.064 C28.2@29.199,27.45 ; C28.2@29.199,27.35 C28.2@29.199,27.45 ; C62.2@30.328,22.222 C62.2@30.3,22.25 30.3,22.6 v1(31.45,23.75) ; C60.2@30.649,16.7 31.935,16.7 v1(31.985,16.75) J8.58@32.775,16.75 ; v1(30.9,14.8) 31.35,15.25 J8.64@32.775,15.25 ; C69.2@31,11.265 31.985,12.25 J8.76@32.775,12.25 ; C69.2@31,11.7 31,13.3 v1(30.9,13.4) 31.25,13.75 J8.70@32.775,13.75 ; v1(31.4,21.4) 31.553,21.247 32.062,21.247 ; v1(31.7,27.965) 31.985,28.25 J8.12@32.775,28.25 33.75,28.25 34.1,28.6 34.1,29.4 33.75,29.75 J8.6@32.775,29.75 ; v1(31.8,19.5) 32.05,19.75 J8.46@32.775,19.75 ; 32.065,21.25 J8.40@32.775,21.25 33.65,21.25 33.9,21.5 33.9,22 33.65,22.25 J8.36@32.775,22.25 ; v1(32.965,6.96) 33,6.925 R37.1@33,4.6 ; J8.75@37.225,12.25 39.45,12.25 40.025,11.675 40.025,10.525 39,9.5 J1.5@39,9.241 ; J8.69@37.225,13.75 v1(36.25,13.75) 36.25,14.95 36.55,15.25 J8.63@37.225,15.25 ; J8.57@37.225,16.75 v1(38.015,16.75) ; J8.51@37.225,18.25 38.5,18.25 39,18.25 J9.8@39.75,19 ; J8.45@37.225,19.75 J9.8@39.837,19.75 ; J8.39@37.225,21.25 38.878,21.25 39.517,21.888 v1(39.515,21.89) 39.155,22.25 J8.35@37.225,22.25 ; J8.29@37.225,23.75 38.797,23.75 v1(39.883,24.837) ; J8.23@37.225,25.25 39.068,25.25 39.527,25.708 v1(39.586,25.708) ; J8.17@37.225,26.75 39.894,26.75 v1(40.811,25.834) ; J8.11@37.225,28.25 37.764,28.25 38.198,28.684 39.216,28.684 39.5,28.968 39.5,29.51 v1@39.5,29.525 ; J8.5@37.225,29.75 39.275,29.75 v1@39.5,29.525 ; v1(39.515,29.51) v1@39.5,29.525 ; R78.2@41.271,22.581 41.271,23.234 v1(41.473,23.436) ; C32.2@14.899,21.5 15.099,21.5 v1(15.399,21.8) 15.499,21.7 16,21.7 16.099,21.601 C37.2@16.099,21 ; C32.2@14.899,21.5 C32.2@14.199,21.5 C32.2@14.899,21.5